# Altium PCB MiniPC.PcbDoc (part 3 of 23)
Units mm, origin at the board's own origin, x right, y up, seen from the top; angles counter-clockwise.
Board outline 175 x 155 mm, 16 copper layers (1_Top, 2_int1_(gnd), 3_int2_(power), 4_int3_(gnd), 5_int4_(sign), 6_int5_(power), 7_int6_(sign), 8_int7_(power), 9_int8_(gnd), 10_int9_(sign), 11_int10_(gnd), 12_int11_(sign), 13_int12_(gnd), 14_int13_(power), 15_int14_(gnd), 16_Bottom), stack 2.008 mm thick; 1046 components, 841 nets, 6010 pads, 4016 vias.
Unrouted connection lines stored in the file: 602.
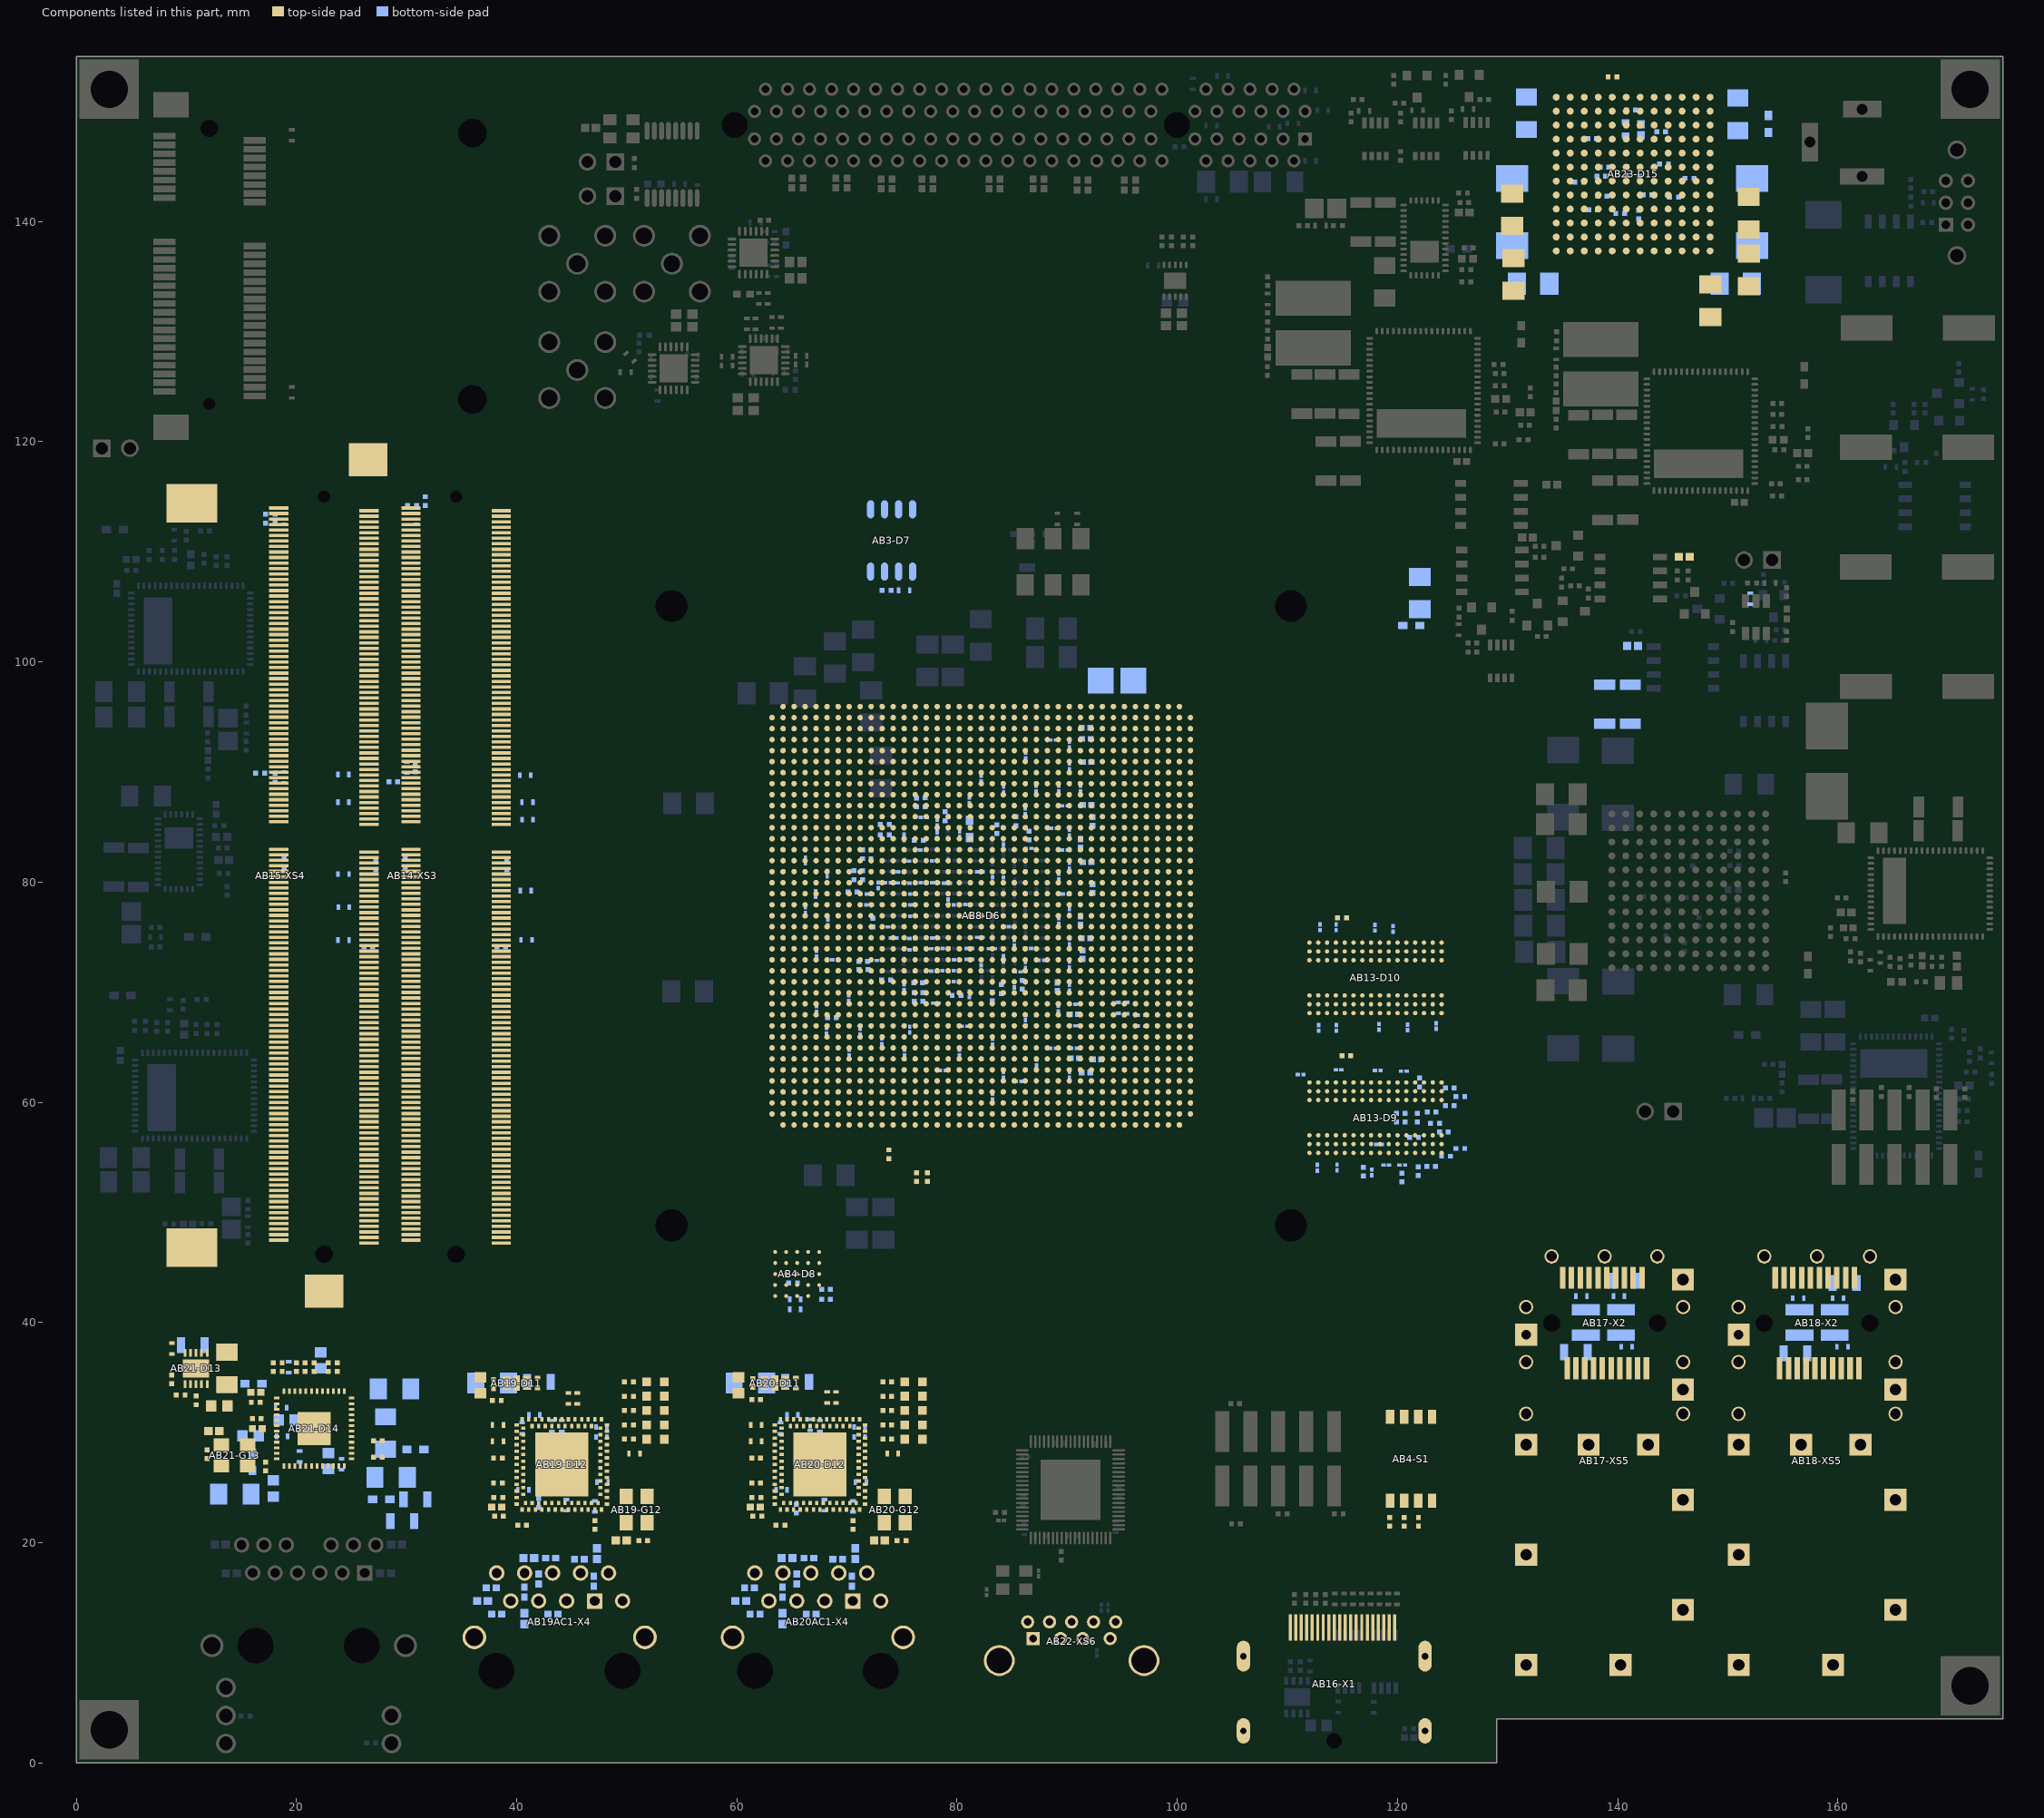
[diagram p17: the components of this part, seen from the top]

## Components (designator, comment, footprint, x,y, rotation, side; value= is the part's Value field where it differs from the comment) (continued)
AB1-C205 "GRM033R60J104KE19D" CAPC0603X33X15LL03T05 78,74.9 r180 bottom locked (schematic designator C205)
AB1-C206 "GRM033R60J104KE19D" CAPC0603X33X15LL03T05 73.45,75.925 r0 bottom locked (schematic designator C206)
AB1-C207 "GRM033R60J104KE19D" CAPC0603X33X15LL03T05 74.9,80.925 r180 bottom locked (schematic designator C207)
AB1-C208 "GRM033R60J104KE19D" CAPC0603X33X15LL03T05 77.975,81.925 r180 bottom locked (schematic designator C208)
AB1-C209 "GRM033R60J104KE19D" CAPC0603X33X15LL03T05 75.9,81.9 r180 bottom locked (schematic designator C209)
AB1-C210 "GRM033R60J104KE19D" CAPC0603X33X15LL03T05 73.725,79.95 r0 bottom locked (schematic designator C210)
AB1-C211 "GRM033R60J104KE19D" CAPC0603X33X15LL03T05 74.875,79.925 r180 bottom locked (schematic designator C211)
AB1-C212 "GRM033R60J104KE19D" CAPC0603X33X15LL03T05 75.95,79.9 r180 bottom locked (schematic designator C212)
AB1-C213 "GRM033R60J104KE19D" CAPC0603X33X15LL03T05 76,78.9 r180 bottom locked (schematic designator C213)
AB1-C214 "GRM033R60J104KE19D" CAPC0603X33X15LL03T05 75.5,77.925 r0 bottom locked (schematic designator C214)
AB1-C215 "GRM033R60J104KE19D" CAPC0603X33X15LL03T05 82.05,74.975 r180 bottom locked (schematic designator C215)
AB1-C216 "GRM033R60J104KE19D" CAPC0603X33X15LL03T05 77.9,71.9 r180 bottom locked (schematic designator C216)
AB1-C217 "GRM033R60J104KE19D" CAPC0603X33X15LL03T05 78.925,71.95 r180 bottom locked (schematic designator C217)
AB1-C218 "GRM033R60J104KE19D" CAPC0603X33X15LL03T05 79.975,72.95 r180 bottom locked (schematic designator C218)
AB1-C219 "GRM033R60J104KE19D" CAPC0603X33X15LL03T05 82.2,72.175 r90 bottom locked (schematic designator C219)
AB1-C220 "GRM033R60J104KE19D" CAPC0603X33X15LL03T05 84.45,75.95 r180 bottom locked (schematic designator C220)
AB1-C221 "GRM033R60J104KE19D" CAPC0603X33X15LL03T05 81.125,72.975 r180 bottom locked (schematic designator C221)
AB1-C222 "GRM033R60J104KE19D" CAPC0603X33X15LL03T05 76.925,82.9 r180 bottom locked (schematic designator C222)
AB1-C223 "GRM033R60J104KE19D" CAPC0603X33X15LL03T05 76,76.9 r180 bottom locked (schematic designator C223)
AB1-C224 "GRM033R60J104KE19D" CAPC0603X33X15LL03T05 74.225,74.908 r0 bottom locked (schematic designator C224)
AB1-C225 "GRM033R60J104KE19D" CAPC0603X33X15LL03T05 86.2,72.475 r90 bottom locked (schematic designator C225)
AB1-C226 "GRM033R60J104KE19D" CAPC0603X33X15LL03T05 84.2,73.025 r90 bottom locked (schematic designator C226)
AB1-C227 "GRM033R60J104KE19D" CAPC0603X33X15LL03T05 87.65,72.9 r180 bottom locked (schematic designator C227)
AB1-C228 "GRM033R60J104KE19D" CAPC0603X33X15LL03T05 85.2,74.475 r270 bottom locked (schematic designator C228)
AB1-C229 "GRM033R60J104KE19D" CAPC0603X33X15LL03T05 86.45,73.975 r180 bottom locked (schematic designator C229)
AB2-C230 "T520B337M2R5ATE045" KEMT-520-B-2_M 94.52,98.28 r0 bottom (schematic designator C230)
AB2-C231 "GRM31CR60J107ME39L" CAPC3216X190X55ML30T25 122.025,106.25 r270 bottom locked (schematic designator C231)
AB2-C232 "GRM033R60J104KE19D" CAPC0603X33X15LL03T05 89.8,86.925 r0 bottom locked (schematic designator C232)
AB2-C233 "GRM155R60J475ME87D" CAPC1005X55X25LL05T10 91.7,94 r180 bottom locked (schematic designator C233)
AB2-C234 "GRM033R60J104KE19D" CAPC0603X33X15LL03T05 83.15,73.95 r180 bottom (schematic designator C234)
AB2-C235 "GRM033R60J104KE19D" CAPC0603X33X15LL03T05 73.175,65.525 r90 bottom locked (schematic designator C235)
AB2-C236 "GRM033R60J104KE19D" CAPC0603X33X15LL03T05 87.2,63.6 r90 bottom locked (schematic designator C236)
AB2-C237 "GRM033R60J104KE19D" CAPC0603X33X15LL03T05 68.2,80.775 r270 bottom locked (schematic designator C237)
AB2-C238 "GRM033R60J104KE19D" CAPC0603X33X15LL03T05 89.875,78.925 r0 bottom locked (schematic designator C238)
AB2-C239 "GRM155R60J475ME87D" CAPC1005X55X25LL05T10 92.3,85.5 r270 bottom locked (schematic designator C239)
AB2-C240 "GRM033R60J104KE19D" CAPC0603X33X15LL03T05 89.2,68.5 r90 bottom locked (schematic designator C240)
AB2-C241 "GRM033R60J104KE19D" CAPC0603X33X15LL03T05 75.225,64.5 r90 bottom locked (schematic designator C241)
AB2-C242 "GRM033R60J104KE19D" CAPC0603X33X15LL03T05 86.2,67.2 r270 bottom locked (schematic designator C242)
AB2-C243 "GRM033R60J104KE19D" CAPC0603X33X15LL03T05 66.225,81.97 r90 bottom locked (schematic designator C243)
AB2-C244 "GRM033R60J104KE19D" CAPC0603X33X15LL03T05 90.2,77.3 r270 bottom locked (schematic designator C244)
AB2-C245 "GRM155R60J475ME87D" CAPC1005X55X25LL05T10 91.2,76.5 r90 bottom locked (schematic designator C245)
AB2-C246 "GRM033R60J104KE19D" CAPC0603X33X15LL03T05 75.95,74.875 r180 bottom locked (schematic designator C246)
AB2-C247 "GRM033R60J104KE19D" CAPC0603X33X15LL03T05 75.7,66.6 r90 bottom locked (schematic designator C247)
AB2-C248 "GRM033R60J104KE19D" CAPC0603X33X15LL03T05 85.6,61.9 r0 bottom locked (schematic designator C248)
AB2-C249 "GRM033R60J104KE19D" CAPC0603X33X15LL03T05 78.7,62.9 r0 bottom locked (schematic designator C249)
AB2-C250 "GRM033R60J104KE19D" CAPC0603X33X15LL03T05 90.2,62.5 r90 bottom locked (schematic designator C250)
AB2-C251 "GRM155R60J475ME87D" CAPC1005X55X25LL05T10 90.6,68 r180 bottom locked (schematic designator C251)
AB2-C252 "GRM033R60J104KE19D" CAPC0603X33X15LL03T05 78,79.95 r180 bottom locked (schematic designator C252)
AB2-C253 "GRM033R60J104KE19D" CAPC0603X33X15LL03T05 87.175,88.5 r90 bottom locked (schematic designator C253)
AB2-C254 "GRM033R60J104KE19D" CAPC0603X33X15LL03T05 83.2,65.5 r90 bottom locked (schematic designator C254)
AB2-C255 "GRM033R60J104KE19D" CAPC0603X33X15LL03T05 91.2,88.5 r90 bottom locked (schematic designator C255)
AB2-C256 "GRM155R60J475ME87D" CAPC1005X55X25LL05T10 91.8,87 r180 bottom locked (schematic designator C256)
AB2-C257 "GRM033R60J104KE19D" CAPC0603X33X15LL03T05 75.95,73.85 r180 bottom locked (schematic designator C257)
AB2-C258 "GRM033R60J104KE19D" CAPC0603X33X15LL03T05 86.225,91.5 r90 bottom locked (schematic designator C258)
AB2-C259 "GRM033R60J104KE19D" CAPC0603X33X15LL03T05 81.125,87.425 r270 bottom locked (schematic designator C259)
AB2-C260 "GRM033R60J104KE19D" CAPC0603X33X15LL03T05 90.2,81.5 r270 bottom locked (schematic designator C260)
AB2-C261 "GRM155R60J475ME87D" CAPC1005X55X25LL05T10 91.2,83.5 r270 bottom locked (schematic designator C261)
AB2-C262 "GRM033R60J104KE19D" CAPC0603X33X15LL03T05 78.95,73.975 r180 bottom locked (schematic designator C262)
AB2-C263 "GRM033R60J104KE19D" CAPC0603X33X15LL03T05 86.175,86.425 r270 bottom locked (schematic designator C263)
AB2-C264 "GRM033R60J104KE19D" CAPC0603X33X15LL03T05 67.15,78.925 r90 bottom locked (schematic designator C264)
AB2-C265 "GRM033R60J104KE19D" CAPC0603X33X15LL03T05 90.2,70.4 r90 bottom locked (schematic designator C265)
AB2-C266 "GRM155R60J475ME87D" CAPC1005X55X25LL05T10 91.7,74.9 r180 bottom locked (schematic designator C266)
AB2-C267 "GRM033R60J104KE19D" CAPC0603X33X15LL03T05 77.925,73.95 r180 bottom locked (schematic designator C267)
AB2-C268 "GRM033R60J104KE19D" CAPC0603X33X15LL03T05 67.225,68.475 r90 bottom locked (schematic designator C268)
AB2-C269 "GRM033R60J104KE19D" CAPC0603X33X15LL03T05 80.7,66.9 r0 bottom locked (schematic designator C269)
AB2-C270 "GRM033R60J104KE19D" CAPC0603X33X15LL03T05 90.6,64.9 r180 bottom locked (schematic designator C270)
AB2-C271 "GRM155R60J475ME87D" CAPC1005X55X25LL05T10 92.7,63.9 r180 bottom locked (schematic designator C271)
AB2-C272 "GRM033R60J104KE19D" CAPC0603X33X15LL03T05 89.22,88.49 r90 bottom locked (schematic designator C272)
AB2-C273 "GRM033R60J104KE19D" CAPC0603X33X15LL03T05 67.225,73.5 r270 bottom locked (schematic designator C273)
AB2-C274 "GRM033R60J104KE19D" CAPC0603X33X15LL03T05 84.2,62.5 r90 bottom locked (schematic designator C274)
AB2-C275 "GRM033R60J104KE19D" CAPC0603X33X15LL03T05 90.2,90.5 r90 bottom locked (schematic designator C275)
AB2-C276 "GRM155R60J475ME87D" CAPC1005X55X25LL05T10 91.8,90.9 r180 bottom locked (schematic designator C276)
AB2-C277 "GRM033R60J104KE19D" CAPC0603X33X15LL03T05 88.8,84.9 r0 bottom locked (schematic designator C277)
AB2-C278 "GRM033R60J104KE19D" CAPC0603X33X15LL03T05 71.2,66.425 r90 bottom locked (schematic designator C278)
AB2-C279 "GRM033R60J104KE19D" CAPC0603X33X15LL03T05 82.175,89.4 r270 bottom locked (schematic designator C279)
AB2-C280 "GRM033R60J104KE19D" CAPC0603X33X15LL03T05 89.8,82.9 r0 bottom locked (schematic designator C280)
AB2-C281 "GRM155R60J475ME87D" CAPC1005X55X25LL05T10 91.8,81.8 r180 bottom locked (schematic designator C281)
AB2-C282 "GRM033R60J104KE19D" CAPC0603X33X15LL03T05 89.225,76.45 r90 bottom locked (schematic designator C282)
AB2-C283 "GRM033R60J104KE19D" CAPC0603X33X15LL03T05 68.15,66.475 r270 bottom locked (schematic designator C283)
AB2-C284 "GRM033R60J104KE19D" CAPC0603X33X15LL03T05 79.95,70.95 r180 bottom locked (schematic designator C284)
AB2-C285 "GRM033R60J104KE19D" CAPC0603X33X15LL03T05 90.2,72.5 r90 bottom locked (schematic designator C285)
AB2-C286 "GRM155R60J475ME87D" CAPC1005X55X25LL05T10 91.4,73.4 r270 bottom locked (schematic designator C286)
AB2-C287 "GRM033R60J104KE19D" CAPC0603X33X15LL03T05 79.95,71.95 r180 bottom locked (schematic designator C287)
AB2-C288 "GRM033R60J104KE19D" CAPC0603X33X15LL03T05 66.219,77.45 r270 bottom locked (schematic designator C288)
AB2-C289 "GRM033R60J104KE19D" CAPC0603X33X15LL03T05 80.2,64.525 r90 bottom locked (schematic designator C289)
AB2-C290 "GRM033R60J104KE19D" CAPC0603X33X15LL03T05 90.5,66.939 r180 bottom locked (schematic designator C290)
AB2-C291 "GRM155R60J475ME87D" CAPC1005X55X25LL05T10 90.7,64 r180 bottom locked (schematic designator C291)
AB2-C292 "GRM033R60J104KE19D" CAPC0603X33X15LL03T05 83.2,80.175 r270 bottom locked (schematic designator C292)
AB2-C293 "GRM033R60J104KE19D" CAPC0603X33X15LL03T05 68.253,76.35 r270 bottom locked (schematic designator C293)
AB2-C294 "GRM033R60J104KE19D" CAPC0603X33X15LL03T05 83.2,60.5 r90 bottom locked (schematic designator C294)
AB2-C295 "GRM033R60J104KE19D" CAPC0603X33X15LL03T05 90.2,92.5 r90 bottom locked (schematic designator C295)
AB2-C296 "GRM155R60J475ME87D" CAPC1005X55X25LL05T10 91.75,93 r180 bottom locked (schematic designator C296)
AB2-C297 "GRM033R60J104KE19D" CAPC0603X33X15LL03T05 84.2,80.15 r270 bottom locked (schematic designator C297)
AB2-C298 "GRM033R60J104KE19D" CAPC0603X33X15LL03T05 68.425,72.925 r0 bottom locked (schematic designator C298)
AB2-C299 "GRM033R60J104KE19D" CAPC0603X33X15LL03T05 84.225,88.425 r270 bottom locked (schematic designator C299)
AB2-C300 "GRM033R60J104KE19D" CAPC0603X33X15LL03T05 90.2,84.5 r90 bottom locked (schematic designator C300)
AB2-C301 "GRM155R60J475ME87D" CAPC1005X55X25LL05T10 92.3,79.4 r270 bottom locked (schematic designator C301)
AB2-C302 "GRM033R60J104KE19D" CAPC0603X33X15LL03T05 81.125,73.975 r180 bottom locked (schematic designator C302)
AB2-C303 "GRM033R60J104KE19D" CAPC0603X33X15LL03T05 70.15,69.475 r90 bottom locked (schematic designator C303)
AB2-C304 "GRM033R60J104KE19D" CAPC0603X33X15LL03T05 90.2,74.6 r90 bottom locked (schematic designator C304)
AB2-C305 "GRM155R60J475ME87D" CAPC1005X55X25LL05T10 89.1,70.5 r90 bottom locked (schematic designator C305)
AB2-C306 "GRM033R60J104KE19D" CAPC0603X33X15LL03T05 79.075,79.9 r180 bottom locked (schematic designator C306)
AB2-C307 "GRM033R60J104KE19D" CAPC0603X33X15LL03T05 70.2,64.5 r90 bottom locked (schematic designator C307)
AB2-C308 "GRM033R60J104KE19D" CAPC0603X33X15LL03T05 90.5,68.9 r180 bottom locked (schematic designator C308)
AB2-C309 "GRM155R60J475ME87D" CAPC1005X55X25LL05T10 91.7,62.699 r180 bottom locked (schematic designator C309)
AB2-C310 "GRM033R60J104KE19D" CAPC0603X33X15LL03T05 82.05,80.925 r180 bottom locked (schematic designator C310)
AB2-C311 "GRM033R60J104KE19D" CAPC0603X33X15LL03T05 78.175,85.4 r270 bottom locked (schematic designator C311)
AB2-C312 "GRM033R60J104KE19D" CAPC0603X33X15LL03T05 76.975,79.95 r180 bottom locked (schematic designator C312)
AB2-C313 "GRM033R60J104KE19D" CAPC0603X33X15LL03T05 81,77.95 r180 bottom locked (schematic designator C313)
AB2-C314 "GRM033R60J104KE19D" CAPC0603X33X15LL03T05 88.7,92.9 r0 bottom locked (schematic designator C314)
AB2-C315 "GRM033R60J104KE19D" CAPC0603X33X15LL03T05 89.225,80.5 r90 bottom locked (schematic designator C315)
AB2-C316 "GRM033R60J104KE19D" CAPC0603X33X15LL03T05 79.95,77.925 r180 bottom locked (schematic designator C316)
AB2-C317 "GRM033R60J104KE19D" CAPC0603X33X15LL03T05 80.225,84.35 r270 bottom locked (schematic designator C317)
AB2-C318 "GRM033R60J104KE19D" CAPC0603X33X15LL03T05 78.175,84.25 r270 bottom locked (schematic designator C318)
AB2-C319 "GRM033R60J104KE19D" CAPC0603X33X15LL03T05 79.175,78.15 r90 bottom locked (schematic designator C319)
AB2-C320 "GRM033R60J104KE19D" CAPC0603X33X15LL03T05 88.7,64.9 r0 bottom locked (schematic designator C320)
AB2-L7 "742792609" SMD-0603 121.25,103.3 r180 bottom locked (schematic designator L7)
AB2-L8 "742792609" SMD-0603 81.15,84.825 r270 bottom locked (schematic designator L8)
AB2-R24 "ERJ-2GE0R00X" RESC1005X40X25LL05T05 78.925,85.975 r270 bottom locked (schematic designator R24)
AB2-R25 "ERJ-2GE0R00X" RESC1005X40X25LL05T05 76.525,83.8 r0 bottom locked (schematic designator R25)
AB3-C321 "GRM033R60J104KE19D" CAPC0603X33X15LL03T05 81.125,69.8 r90 bottom locked (schematic designator C321)
AB3-C322 "GRM033R60J104KE19D" CAPC0603X33X15LL03T05 85.2,70.675 r90 bottom locked (schematic designator C322)
AB3-C323 "GRM033R60J104KE19D" CAPC0603X33X15LL03T05 84.2,83.65 r270 bottom locked (schematic designator C323)
AB3-C324 "GRM033R60J104KE19D" CAPC0603X33X15LL03T05 75.175,70.45 r90 bottom locked (schematic designator C324)
AB3-C325 "GRM033R60J104KE19D" CAPC0603X33X15LL03T05 72,77.925 r0 bottom locked (schematic designator C325)
AB3-C326 "GRM033R60J104KE19D" CAPC0603X33X15LL03T05 72.825,79.7 r90 bottom locked (schematic designator C326)
AB3-C327 "GRM033R60J104KE19D" CAPC0603X33X15LL03T05 76.975,85.875 r180 bottom locked (schematic designator C327)
AB3-C328 "GRM033R60J104KE19D" CAPC0603X33X15LL03T05 85.5,71.85 r180 bottom locked (schematic designator C328)
AB3-C329 "GRM033R60J104KE19D" CAPC0603X33X15LL03T05 86.5,83.05 r180 bottom locked (schematic designator C329)
AB3-C330 "GRM033R60J104KE19D" CAPC0603X33X15LL03T05 78.075,69 r180 bottom locked (schematic designator C330)
AB3-C331 "GRM033R60J104KE19D" CAPC0603X33X15LL03T05 72.975,72.875 r180 bottom locked (schematic designator C331)
AB3-C332 "GRM033R60J104KE19D" CAPC0603X33X15LL03T05 72.05,78.925 r0 bottom locked (schematic designator C332)
AB3-C333 "GRM033R60J104KE19D" CAPC0603X33X15LL03T05 75.175,84.05 r270 bottom locked (schematic designator C333)
AB3-C334 "C1005X7R1E104M" CAPC1005X55X10LL05 75.2,106.5 r180 bottom locked (schematic designator C334)
AB3-D7 "LT1389ACS8-1.25" LT-S8-8_M 74.05,111.025 r270 bottom locked (schematic designator D7)
AB3-R26 "ERJ-2GEJ241x" RESC1005X40X25LL05T05 76.325,87.225 r270 bottom locked (schematic designator R26)
AB3-R27 "ERJ-2GEJ241x" RESC1005X40X25LL05T05 77.1,87.25 r270 bottom locked (schematic designator R27)
AB3-R28 "ERJ-2GEJ241x" RESC1005X40X25LL05T05 73.425,85.225 r0 bottom locked (schematic designator R28)
AB3-R29 "ERJ-2GEJ241x" RESC1005X40X25LL05T05 73.425,84.3 r180 bottom locked (schematic designator R29)
AB3-R30 "ERJ-2GEJ241x" RESC1005X40X25LL05T05 71.4,82.525 r270 bottom locked (schematic designator R30)
AB3-R31 "ERJ-2GEJ241x" RESC1005X40X25LL05T05 72.175,82.525 r90 bottom locked (schematic designator R31)
AB3-R32 "ERJ-2GEJ241x" RESC1005X40X25LL05T05 71.025,81.025 r0 bottom locked (schematic designator R32)
AB3-R33 "ERJ-2GEJ241x" RESC1005X40X25LL05T05 71.025,80.225 r180 bottom locked (schematic designator R33)
AB3-R34 "ERJ-2GEJ241x" RESC1005X40X25LL05T05 70.5,79.1 r0 bottom locked (schematic designator R34)
AB3-R35 "ERJ-2GEJ241x" RESC1005X40X25LL05T05 72.35,76.325 r270 bottom locked (schematic designator R35)
AB3-R36 "ERJ-2GEJ241x" RESC1005X40X25LL05T05 71.5,72.05 r0 bottom locked (schematic designator R36)
AB3-R37 "ERJ-2GEJ241x" RESC1005X40X25LL05T05 71.475,72.8 r180 bottom locked (schematic designator R37)
AB3-R38 "ERJ-2GEJ241x" RESC1005X40X25LL05T05 73.55,71.1 r0 bottom locked (schematic designator R38)
AB3-R39 "ERJ-2GEJ241x" RESC1005X40X25LL05T05 76.45,70.875 r0 bottom locked (schematic designator R39)
AB3-R40 "ERJ-2GEJ241x" RESC1005X40X25LL05T05 76.5,69.15 r0 bottom locked (schematic designator R40)
AB3-R41 "ERJ-2GEJ241x" RESC1005X40X25LL05T05 76.5,69.95 r180 bottom locked (schematic designator R41)
AB3-R42 "ERJ-2GEJ241x" RESC1005X40X25LL05T05 85.325,85.525 r270 bottom locked (schematic designator R42)
AB3-R43 "ERJ-2GEJ241x" RESC1005X40X25LL05T05 83.6,84.8 r90 bottom locked (schematic designator R43)
AB3-R44 "ERJ-2RKF1003X" RESC1005X40X25LL05T05 73.6,106.5 r0 bottom locked (schematic designator R44)
AB3-R45 "ERJ-2GEJ241x" RESC1005X40X25LL05T05 84,70.275 r90 bottom locked (schematic designator R45)
AB3-R46 "ERJ-2GEJ241x" RESC1005X40X25LL05T05 86.55,84.225 r90 bottom locked (schematic designator R46)
AB3-R47 "ERJ-2GEJ241x" RESC1005X40X25LL05T05 85.9,70.675 r90 bottom locked (schematic designator R47)
AB3-R48 "ERJ-2GEJ241x" RESC1005X40X25LL05T05 83.2,69.6 r270 bottom locked (schematic designator R48)
AB3-R49 "ERJ-2GEJ241x" RESC1005X40X25LL05T05 79.95,69.7 r0 bottom locked (schematic designator R49)
AB4-C335 "C1005X7R1E104M" CAPC1005X55X10LL05 65.3,41.2 r180 bottom locked (schematic designator C335)
AB4-C336 "C1005X7R1E104M" CAPC1005X55X10LL05 65.3,42.1 r180 bottom locked (schematic designator C336)
AB4-D8 "EPCQL1024F24IN" ALTR-FBGA24_A-130 65.475,44.4 r180 top (schematic designator D8)
AB4-R50 "ERJ-2RKF1001X" RESC1005X40X25LL05T05 121.9,21.9 r90 top (schematic designator R50)
AB4-R51 "ERJ-2RKF1001X" RESC1005X40X25LL05T05 120.6,21.9 r90 top (schematic designator R51)
AB4-R52 "ERJ-2RKF1001X" RESC1005X40X25LL05T05 119.3,21.9 r90 top (schematic designator R52)
AB4-R53 "ERJ-2RKF1002X" RESC1005X40X25LL05T05 68.1,43 r0 bottom locked (schematic designator R53)
AB4-R54 "ERJ-2RKF1002X" RESC1005X40X25LL05T05 68.1,42.1 r180 bottom locked (schematic designator R54)
AB4-R55 "ERJ-2GE0R00X" RESC1005X40X25LL05T05 77.3,53.2 r90 top (schematic designator R55)
AB4-R56 "ERJ-2RKF1002X" RESC1005X40X25LL05T05 76.3,53.2 r90 top (schematic designator R56)
AB4-R57 "ERJ-2RKF1002X" RESC1005X40X25LL05T05 73.8,55.275 r90 top (schematic designator R57)
AB4-R58 "ERJ-2RKF1002X" RESC1005X40X25LL05T05 65.1,43.6 r0 bottom locked (schematic designator R58)
AB4-S1 "416131160804" 416131160804 121.235,27.61 r180 top (schematic designator S1)
AB7-R59 "RC0402JR-0739RL" RESC1005X40X25LL05T05 39.1,81.5 r90 bottom locked (schematic designator R59)
AB7-R60 "RC0402JR-0739RL" RESC1005X40X25LL05T05 27.2,81.5 r90 bottom locked (schematic designator R60)
AB7-R61 "RC0402JR-0739RL" RESC1005X40X25LL05T05 29.901,81.75 r90 bottom locked (schematic designator R61)
AB7-R62 "RC0402JR-0739RL" RESC1005X40X25LL05T05 18.9,81.7 r90 bottom locked (schematic designator R62)
AB7-R63 "RC0402JR-0739RL" RESC1005X40X25LL05T05 68.625,67.675 r0 bottom locked (schematic designator R63)
AB8-D6 "10AS066N3F40E2SGE2" ALTR-FBGA1517_A-350 82.194,76.939 r0 top locked (schematic designator D6)
AB13-C337 "GRM033R60J104KE19D" CAPC0603X33X15LL03T05 117.65,53.625 r270 bottom locked (schematic designator C337)
AB13-C338 "GRM033R60J104KE19D" CAPC0603X33X15LL03T05 120.9,66.8 r90 bottom locked (schematic designator C338)
AB13-C339 "GRM033R60J104KE19D" CAPC0603X33X15LL03T05 120.43,54.3 r0 bottom (schematic designator C339)
AB13-C340 "GRM033R60J104KE19D" CAPC0603X33X15LL03T05 111.2,62.5 r0 bottom locked (schematic designator C340)
AB13-C341 "GRM033R60J104KE19D" CAPC0603X33X15LL03T05 114.5,54.075 r90 bottom locked (schematic designator C341)